# Altium PCB Ctrl-FOC-Lite.PcbDoc (continued)
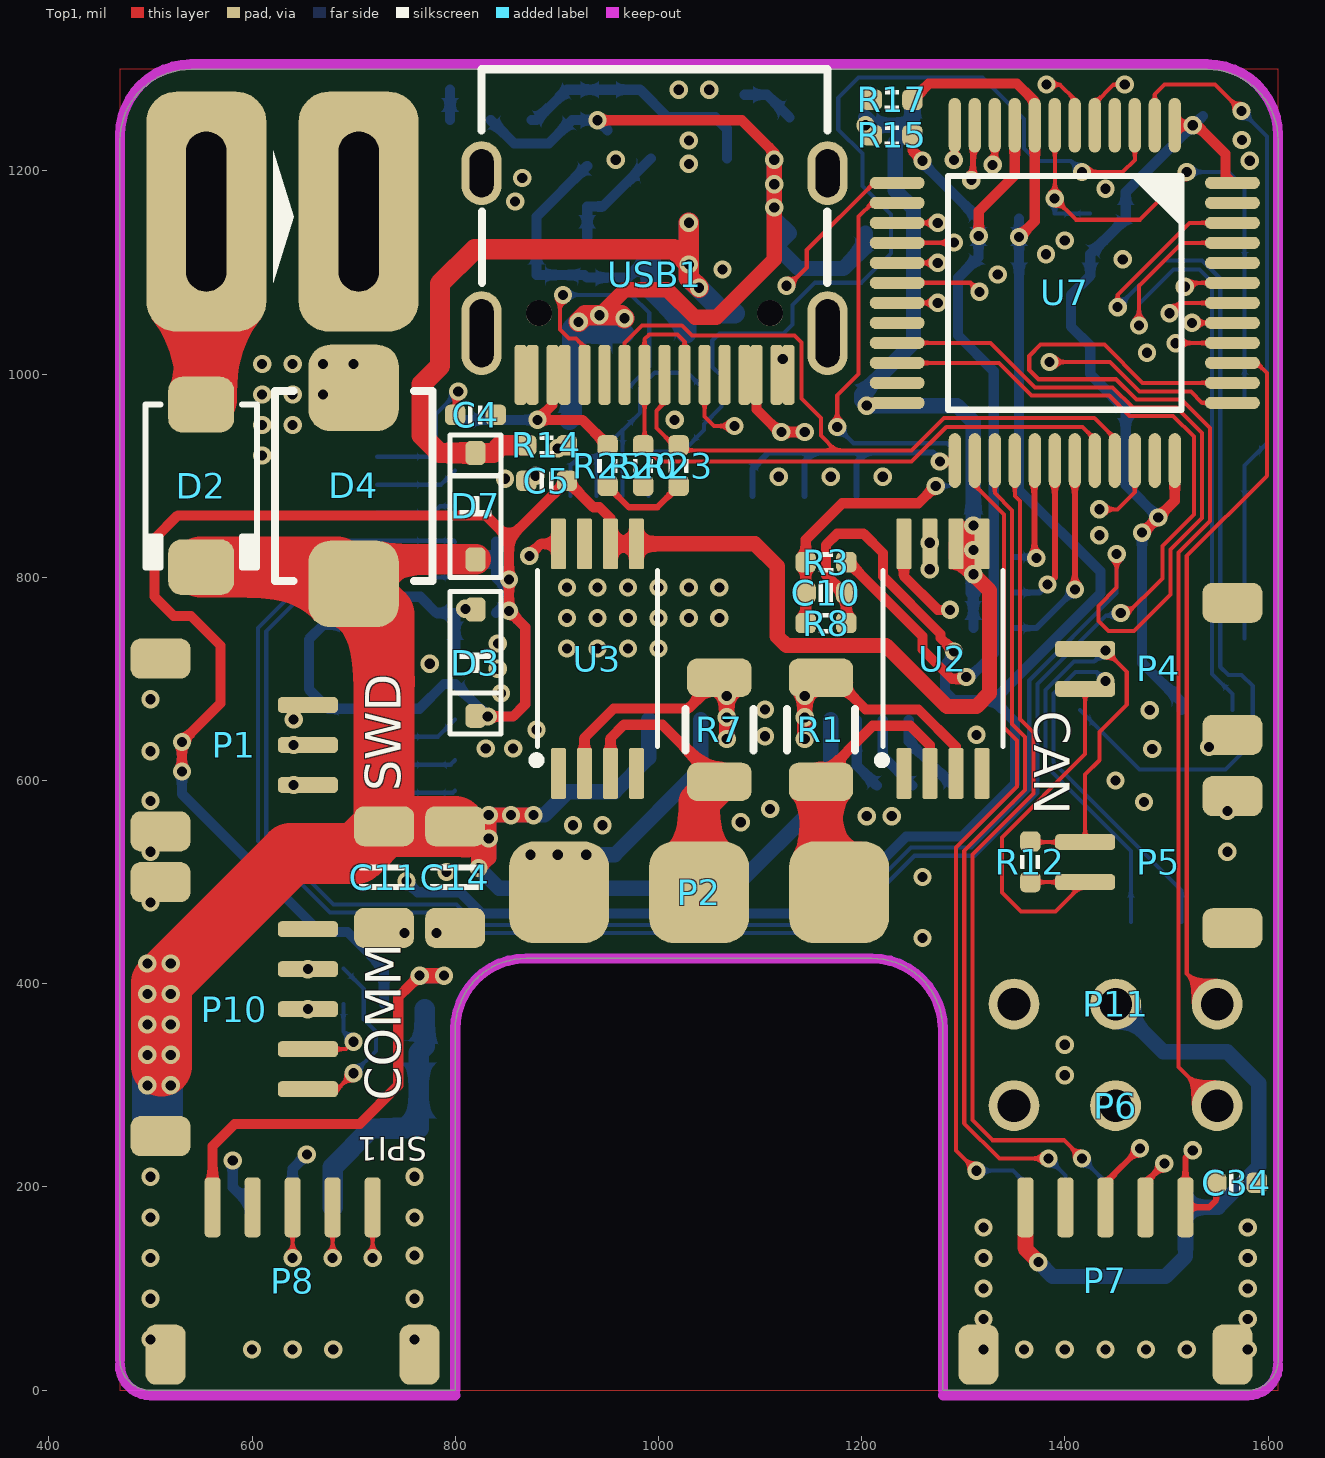
[diagram p0: Top1 view]
## Footprints (in the part's own frame and the unit in brackets; to place one, negate y for a bottom-side part, rotate by r counter-clockwise, add the part's x,y. Pads: shape width x height; smd on the part's side, far side on the other; paste and mask are expansions set on the pad)
1206-CAP [mm]
  rrect50% 1x1.5 smd: 1(-1.27,0) 2(1.27,0)
  silkscreen extent -0.3,-0.61 0.3,0.61, body extent -1.5,-0.75 1.5,0.75, height 1.5
1206-RES [mil]
  rrect50% 37.64x63.38 smd paste+0 mask+0: 1(-51.22,0) 2(51.22,0)
  silkscreen extent -21,-33 21,33, body extent -61,-31 61,31, height 26
AMASS-MR30-M [mm]
  rrect50% 2.5x2.54 smd: 1(-3.5,0) 2(0,0) 3(3.5,0)
  body extent -6.1,-11.84 6.1,0.66, height 2.6
ButtonTACT_3.5*3.55_90 [mil]
  rrect50% 50x30 smd: 1(-85,32) 2(-85,-32) 3(85,32) 4(85,-32)
  silkscreen extent -91,-59 91,59, body extent -90,-55 91,85, height 56
CAP_0402 [mil]
  rrect50% 20x20 smd: 1(-20,0) 2(20,0)
  silkscreen extent -7,-9 7,9, body extent -20,-10 20,10, height 20
DO-214AC [mil] "SMA"
  rrect50% 55x65 smd: 1(-80,0) 2(80,0)
  silkscreen extent -80,-55 80,55, body extent -98,-53 98,53, height 85
HDR1X3_2.54_180 [mil]
  round 50 hole 32: 1(0,0) 2(0,-100) 3(0,-200)
  body extent -49,-250 49,50, height 323
HTSSOP-28 [mm]
  rrect50% 1.6x0.3 smd paste-2 mask+0: 1(-2.8,4.225) 2(-2.8,3.575) 3(-2.8,2.925) 4(-2.8,2.275) 5(-2.8,1.625) 6(-2.8,0.975) 7(-2.8,0.325) 8(-2.8,-0.325) 9(-2.8,-0.975) 10(-2.8,-1.625) 11(-2.8,-2.275) 12(-2.8,-2.925) 13(-2.8,-3.575) 14(-2.8,-4.225) 15(2.8,-4.225) 16(2.8,-3.575) 17(2.8,-2.925) 18(2.8,-2.275) 19(2.8,-1.625) 20(2.8,-0.975) 21(2.8,-0.325) 22(2.8,0.325) 23(2.8,0.975) 24(2.8,1.625) 25(2.8,2.275) 26(2.8,2.925) 27(2.8,3.575) 28(2.8,4.225)
  rrect25% 3.4x9.7 smd paste-6 mask+0: 29(0,0)
  silkscreen extent -3.58,-5.17 2.2,5.27, body extent -3.2,-4.85 3.2,4.85, height 1.2
IND-201612 [mil]
  rrect50% 25x50 smd paste+0 mask+0: 1(-30.46,0) 2(30.46,0)
  silkscreen extent -43,-35 43,35, body extent -39,-31 39,31, height 37
LED_0402_RED [mil]
  rrect50% 20x20 smd: 1(-20,0) 2(20,0)
  silkscreen extent -6,-10 6,10, body extent -20,-10 20,10, height 18
LQFP-48 [mil]
  oval 54x12 smd: 1(-165,108.27) 2(-165,88.58) 3(-165,68.9) 4(-165,49.21) 5(-165,29.53) 6(-165,9.84) 7(-165,-9.84) 8(-165,-29.53) 9(-165,-49.21) 10(-165,-68.9) 11(-165,-88.58) 12(-165,-108.27) 25(165,-108.27) 26(165,-88.58) 27(165,-68.9) 28(165,-49.21) 29(165,-29.53) 30(165,-9.84) 31(165,9.84) 32(165,29.53) 33(165,49.21) 34(165,68.9) 35(165,88.58) 36(165,108.27)
  oval 12x54 smd: 13(-108.27,-165) 14(-88.58,-165) 15(-68.9,-165) 16(-49.21,-165) 17(-29.53,-165) 18(-9.84,-165) 19(9.84,-165) 20(29.53,-165) 21(49.21,-165) 22(68.9,-165) 23(88.58,-165) 24(108.27,-165) 37(108.27,165) 38(88.58,165) 39(68.9,165) 40(49.21,165) 41(29.53,165) 42(9.84,165) 43(-9.84,165) 44(-29.53,165) 45(-49.21,165) 46(-68.9,165) 47(-88.58,165) 48(-108.27,165)
  silkscreen extent -115,-115 115,115, body extent -177,-177 177,177, height 61
OLED-6432-TOP [mm]
  rrect50% 0.4x2 smd: 1(-4.56,7.195) 2(-3.86,7.195) 3(-3.16,7.195) 4(-2.46,7.195) 5(-1.76,7.195) 6(-1.06,7.195) 7(-0.36,7.195) 8(0.34,7.195) 9(1.04,7.195) 10(1.74,7.195) 11(2.44,7.195) 12(3.14,7.195) 13(3.84,7.195) 14(4.54,7.195)
  body extent -7.44,-0.28 7.44,12.1, height 3.43
RES_0402 [mil]
  rrect50% 20x20 smd: 1(-20,0) 2(20,0)
  silkscreen extent -7,-10 7,10, body extent -20,-10 20,10, height 14
SH1.0-2P [mm]
  rrect50% 0.4x1.5 smd: 1(-0.5,0) 2(0.5,0)
  rrect50% 1x1.5 smd: SH1(-1.651,-3.683) SH2(1.651,-3.683)
  body extent -2,-4.42 2,0.54, height 3.06
SH1.0-3P [mm]
  rrect50% 0.4x1.5 smd: 1(-1,0) 2(0,0) 3(1,0)
  rrect50% 1x1.5 smd: SH1(-2.159,-3.683) SH2(2.159,-3.683)
  body extent -2.5,-4.42 2.5,0.54, height 3.06
SH1.0-5P [mm]
  rrect50% 0.4x1.5 smd: 1(-2,0) 2(-1,0) 3(0,0) 4(1,0) 5(2,0)
  rrect50% 1x1.5 smd: SH1(-3.175,-3.683) SH2(3.175,-3.683)
  body extent -3.5,-4.42 3.5,0.54, height 3.06
SMBJ-CA_MFG [mm]
  rrect50% 2.16x2.26 smd paste+0 mask+0: 1(-2.45,0) 2(2.45,0)
  silkscreen extent -2.37,-1.97 2.37,1.97, body extent -2.7,-1.81 2.7,1.81, height 2.62
SO-8 [mm]
  oval 1.3x0.5 smd: 1(-2.65,1.905) 2(-2.65,0.635) 3(-2.65,-0.635) 4(-2.65,-1.905) 5(2.65,-1.905) 6(2.65,-0.635) 7(2.65,0.635) 8(2.65,1.905)
  silkscreen extent -2.77,-2.5 1.2,2.93, body extent -2.89,-2.44 2.89,2.46, height 1.45
SOD-323 [mm]
  rrect50% 0.6x0.5 smd: 1(-1.329,0) 2(1.329,0)
  silkscreen extent -1.78,-0.64 1.78,0.64, body extent -1.3,-0.68 1.3,0.67, height 1.15
"SOP65 P640X120-8N" [mm]
  rrect25% 1.27x0.381 smd: 1(-2.87,0.975) 2(-2.87,0.325) 3(-2.87,-0.325) 4(-2.87,-0.975) 5(2.87,-0.975) 6(2.87,-0.325) 7(2.87,0.325) 8(2.87,0.975)
  silkscreen extent -2.64,-1.5 2.2,1.62, body extent -3.2,-1.5 3.2,1.5, height 1.2
SOT23-3 [mm] "SOT23, 3-Leads, Body 3.1x3.0mm (max), Pitch 0.95mm, IPC Medium Density"
  rrect50% 1x0.6 smd: 1(-1.246,0.95) 2(-1.246,-0.95) 3(1.246,0)
  silkscreen extent -0.2,-1.55 0.9,1.55, body extent -1.3,-1.45 1.5,1.45, height 1.2
SOT23-5 [mm] "SOT23, 3-Leads, Body 3.1x3.0mm (max), Pitch 0.95mm, IPC Medium Density"
  rrect50% 0.889x0.6 smd: 1(-1.5,0.95) 2(-1.5,0) 3(-1.5,-0.95) 4(1.396,-0.95) 5(1.396,0.95)
  silkscreen extent -0.2,-1.55 0.9,1.55, body extent -1.48,-1.45 1.32,1.45, height 1.2
SOT23-6 [mm]
  rrect50% 1.3x0.7 smd: 1(-1.2,0.95) 2(-1.2,0) 3(-1.2,-0.95) 4(1.2,-0.95) 5(1.2,0) 6(1.2,0.95)
  silkscreen extent -1.32,1.73 -1.08,1.97, body extent -1.4,-1.45 1.4,1.45, height 1.45
Type-C-TOP [mm]
  round 0.65 hole 0.65: 0(-0.98,2.89) 0(-0.98,-2.89)
  oval 1.6x1 hole 0.6 slot 1.2 at 0 deg: 1(2.52,4.325) 2(2.52,-4.325)
  oval 2.1x1 hole 0.6 slot 1.7 at 0 deg: 3(-1.48,-4.325) 4(-1.48,4.325)
  rrect50% 1.5x0.3 smd: A1(-2.52,-3.35) A4(-2.52,-2.55) A5(-2.52,-1.25) A6(-2.52,-0.25) A7(-2.52,0.25) A8(-2.52,1.25) A9(-2.52,2.55) A12(-2.52,3.35) B1(-2.52,3.05) B4(-2.52,2.25) B5(-2.52,1.75) B6(-2.52,0.75) B7(-2.52,-0.75) B8(-2.52,-1.75) B9(-2.52,-2.25) B12(-2.52,-3.05)
  silkscreen extent -0.22,-4.33 5.12,4.33, body extent -2.57,-4.48 5.18,4.48, height 3.26
晶振-3P [mm] "贴片晶振"
  rrect50% 0.55x1.45 smd: 1(-0.95,0) 2(0,0) 3(0.95,0)
  silkscreen extent -1.65,-0.89 1.65,0.91, body extent -1.6,-0.89 1.65,0.89, height 0.7

## Part data
1: "显示屏"
C1 C2 C3 C4 C5 C6 C7 C8 C9 C10 C16 C17 C18 C19 C20 C21 C22 C23 C24 C25 C26 C27 C28 C29 C30 C31 C32 C33 C34: library part 电容-0402, "Capacitor"
C11 C12 C13 C14 C15: library part 电容-1206, "Capacitor"
D1: library part LED_0402, "LED", Type=0402
D2: library part Diode_SMA, "Diode", Type=SMA
D3: "40V"
D5 D6 D7: library part 二极管-5B5817WS, "40V"
K1 K2: library part ButtonTACT, "Button", Type="TACT 4P"
L1: library part 电感-201612
P1 P3 P6 P11: "Header"
P2: "AMASS MR30"
R1 R7: library part 电阻-1206, "Resistor"
R2 R4 R5 R6 R8 R9 R10 R11 R12 R13 R14 R15 R16 R17 R18 R19 R20 R21 R22 R23 R24 R25 R26 R27 R28: library part 电阻-0402, "Resistor"
R3: "THERMISTOR 10K OHM NTC 0402 SMD"
U1: library part LP2992, "LDO"
U2 U3: "-4 to 80V, bidirectional, ultra-precise current sense amplifier with enhanced PWM rejection 8-TSSOP -40 to 125", Package="TSSOP-8 Texas Instruments", Availability=Good, MF="Texas Instruments", MP=INA240A2PWR, Price=None, Purchase-URL=https://pricing.snapeda.com/search/part/INA240A2PWR/?ref=eda, SnapEDA_Link=https://www.snapeda.com/parts/INA240A2PWR/Texas%20Instruments/view-part/588604/?ref=snap
U4: Manufacturer="Texas Instruments", Manufacturer Part Number=SN65HVD232DR, Operating Temperature="-40°C ~ 85°C", Package / Case="8-SOIC (0.154\", 3.90mm Width)", Supplier Device Package=8-SOIC, Supplier Part Number 1=296-26344-2-ND, Voltage - Supply="3 V ~ 3.6 V", Category="Integrated Circuits (ICs)", ComponentLink1Description=http://www.ti.com/lit/ds/symlink/sn65hvd230.pdf, ComponentLink1URL=http://www.ti.com/lit/ds/symlink/sn65hvd230.pdf, Data Rate=1Mbps, Duplex=Half, Mounting Type="Surface Mount", Number of Drivers/Receivers=1/1, Packaging="Tape & Reel (TR)", Part Status=Active, Pricing 1="2500=0.84375 (USD)", Pricing 2="1=2.05, 10=1.842, 100=1.4809, 500=1.21668, 1000=1.00811 (USD)", Protocol=CAN, RoHS="RoHS Compliant", Stock=5000, Supplier 1=Digi-Key, Supplier 2=Digi-Key, Supplier Part Number 2=296-26344-1-ND, Type=Transceiver
U5: "DC-DC"
U6: "Adjustable precision shunt regulator 3-SOT-23 -40 to 85", Package="SOT-23-3 Texas Instruments", Availability=Warning, Check_prices=https://www.snapeda.com/parts/TL431IDBZT/Texas%20Instruments/view-part/1206577/?ref=eda, MF="Texas Instruments", MP=TL431IDBZT, Price=None, Purchase-URL=https://pricing.snapeda.com/search/part/TL431IDBZT/?ref=eda, SnapEDA_Link=https://www.snapeda.com/parts/TL431IDBZT/Texas%20Instruments/view-part/1206577/?ref=snap
U7: "ARM Cortex-M3 32-bit MCU, 128 KB Flash, 20 KB Internal RAM, 37 I/Os, 48-pin LQFP, -40 to 85 degC, Tray", I/Os (High Current)=37, Operating Frequency(F) (Processor speed) (MHz)=72, Supplier Part Number 1=497-6288-ND, Supply Voltage(Vcc) min (V)=2, A/D Converter="2x12-bit (10 Channel)", ComponentLink1Description="Manufacturer URL", ComponentLink1URL=http://www.st.com/web/en/home.html, ComponentLink2Description=Datasheet, ComponentLink2URL=http://www.st.com/st-web-ui/static/active/en/resource/technical/document/datasheet/CD00161566.pdf, ComponentLink3Description="Package Specification", ComponentLink3URL=http://www.st.com/st-web-ui/static/active/en/resource/technical/document/datasheet/DM00058181.pdf, Core="ARM Cortex-M3", DatasheetVersion="Rev. 16", FLASH Size (Prog) (kB)=128, Internal RAM Size (kB)=20, Mounting Technology="Surface Mount", PackageDescription="48-Pin Low Profile Quad Flat Package, 7 x 7 mm Body, 0.5 mm Pitch", PackageReference=LQFP48, PackageVersion="Rev. 6, 06/2013", Packing=Tray, PartNumber=STM32F103CBT6, Supplier 1=Digi-Key, Supplier 2=Farnell, Supplier 3=Newark, Supplier 4=Newark, Supplier 5=Mouser, Supplier Part Number 2=1606327, Supplier Part Number 3=11N8296, Supplier Part Number 4=57P1214, Supplier Part Number 5=511-STM32F103CBT6
U8: "65-V max, 3-A peak 3-phase motor driver 28-HTSSOP -40 to 125", Package="HTSSOP-28 Texas Instruments", Availability=Good, MF="Texas Instruments", MP=DRV8313PWP, Price=None, Purchase-URL=https://pricing.snapeda.com/search/part/DRV8313PWP/?ref=eda, SnapEDA_Link=https://www.snapeda.com/parts/DRV8313PWP/Texas%20Instruments/view-part/287728/?ref=snap
USB1: library part USB-Type-C-TOP
Y1: library part 晶振-3Pin, "村田贴片"

## Free pads (board coordinates)
  rrect50% 118.11x236.22 hole 157.48 slot 39.37 at 0 deg: ""(555,1160) ""(705,1160)

## Via types
v1: diameter 18, hole 10, Top1 to Bottom4, tented both sides, 232 vias

## Nets (pads, with @x,y where several pads share a name; then routed paths per layer and width w, separated by ;. In a path a pad name is that pad's centre, name@x,y a point inside that pad or via, vN(x,y) a via of type N, cw(c..) or ccw(c..) an arc to the next point about the centre after c; other vN are vias at no path point)
3V3: 1.5 1.8 C1.2 C2.2 C5.1 C9.2 C17.1 C25.2 C26.2 C27.2 C28.2 D3.2 R9.1 R15.2 R16.2 R19.2 R21.1 R22.2 R24.1 R26.2 R27.1 R28.2 U1.5 U2.5 U2.6 U3.5 U3.6 U4.3 U7.1 U7.24 U7.36 U7.48 | length 4870.8
  Top1 w10: v1(531,609) v1(531,638) 569,676 569,733 540,762 523,762 504,781 504,838 527,861 830,861 853,838 ; D3.2 820.66,663 v1(832,663) 857,663 869,675 869,751 v1(853,767) v1(853,798) 853,838 ; U3.6 952.8,858.2 942,869 936,869 C5.1 853,838 ; v1(1205,969) 1207.73,971.73 U7.24 ; v1(1476,844) 1477,844 v1(1492,859) 1508.27,875.27 U7.36 ; U7.1 v1(1526,1245) 1530,1245 1558,1217 1558,1195.27 U7.48
  Top1 w15: U3.6 U3.5 1095.01,832.99 1117,811 1117,742 1126,733 1224,733 1284,673 1313,673 1326,686 1326,787 v1(1310,803) ; v1(1310,851) 1310,850.2 U2.6@1296.8,837 ; U2.6@1296.8,837 1310,837 v1(1310,827) v1(1310,803) ; U2.6@1296.8,837 U2.6 1292.8,820.2 v1(1310,803)
  Signal3 w10: v1(1310,803) v1(1310,827) v1(1310,851) 1310,853.16 1323,866.16 1323,981 1375,1033 1411.89,1033 1476,968.89 1476,875 v1(1492,859) 1491,859 v1(1476,844)
  Gnd2 w20: v1(1310,803) v1(1310,827) v1(1310,851)
  Bottom4 w10: v1(531,638) v1(531,609) 531,587 667,451 694,451 R19.2 R22.2 ; 1.8 670.39,753.39 656,739 656,690 675.29,670.71 1.5 764.71,670.71 789,695 C9.2 v1(832,663) 857,663 869,675 869,751 v1(853,767) 853,778 ; R9.1 853,778 ; R28.2 R26.2 853,787 ; v1(853,798) 853,787 ; R27.1 R24.1 ; U4.3 1515,677 1476,716 v1(1476,844) 1477,844 v1(1492,859) 1460,891 C26.2 1425,1000 1425,1028 1406,1047 1406,1078 1425,1097 R16.2 1460,1153 C28.2 1460,1179 v1(1526,1245) 1526.72,1245 C27.2 ; 853,778 853,787
  Bottom4 w15: U1.5 1211.64,1245 C1.2 ; C2.2 C1.2 ; R24.1 v1(1310,803) R21.1 v1(1310,827) v1(1310,851) C17.1 1310,953 1294,969 v1(1205,969) 1200,974 C25.2 1251,1031 1251,1163 1233,1181 1233,1228 C1.2
  other v1: 1203.9,1245
5V: C19.1 C21.2 C22.2 D1.1 D5.2 L1.2 P6.2 P7.1 P8.1 P9.1 P11.2 R10.2 R11.1 U1.1 U1.3 | length 4998.3
  Top1 w10: P8.1 561.26,240.26 583,262 706,262 744,300 744,387 v1(765,408) ; v1(940.16,1249.84) 1082.16,1249.84 1114,1218 v1(1114,1211)
  Top1 w15: v1(765,408) v1(789,408) ; v1(941.88,1058) 966.88,1083 1009,1083 1036,1056 1057,1056 1114,1113 v1(1114,1164) v1(1114,1187) v1@1114,1205 ; P7.1 1361.26,138.74 v1(1374,126)
  Top1 w20: v1(921.5,1051.5) 928,1058 v1(941.88,1058) 963.54,1058 v1(966.54,1055)
  Signal3 w15: v1(765,408) v1(789,408) 857,476 1354,476 P11.2 P6.2 1447,277 1447,205 1475,177 1552,177 1593.5,218.5 1593.5,1155.5 1550,1199 1550,1256 1537,1269 1505,1269 1490,1254 1332,1254 1308,1278 1164,1278 1114,1228 v1(1114,1211) v1(1114,1187) v1(1114,1164)
  Signal3 w20: v1(921.5,1051.5) 928,1058 v1(941.88,1058) 963.54,1058 v1(966.54,1055)
  Gnd2 w20: v1(921.5,1051.5) 928,1058 v1(941.88,1058) 963.54,1058 v1(966.54,1055) ; v1(1114,1164) v1(1114,1187) v1(1114,1211)
  Bottom4 w10: D1.1 858,1227 892,1227 R10.2 940,1250 v1(940.16,1249.84) C19.1
  Bottom4 w15: v1(765,408) v1(789,408) ; v1(1114,1211) v1(1114,1187) v1(1114,1164) 1114,1153.83 U1.3 1119.29,1128.93 1119.29,1122.71 1138,1104 1182,1104 1203.9,1125.9 U1.1 ; v1(1374,126) 1388,112 1499,112 1518.74,131.74 P9.1 1551,180 1591,220 1591,302 1560,333 1497,333 P11.2
  Bottom4 w20: D5.2 915,957.66 C21.2 C22.2 ; L1.2 925,1040 C22.2 ; v1(966.54,1055) 963.54,1058 v1(941.88,1058) 928,1058 v1(921.5,1051.5) 915,1045 C22.2
ADC1_1: C10.2 R3.1 R8.2 U7.14 | length 669.2
  Top1 w4: v1(1176,948) 1176,979 1197,1000 1197,1155 1210.58,1168.58 U7.14
  Top1 w10: R8.2 C10.2 R3.1 1145,837 1181,873 1256,873 v1(1273,890)
  Bottom4 w4: v1(1176,948) 1192,932 1284,932 1295,921 1295,899 1286,890 v1(1273,890)
ADC2_1: P3.3 U7.19 | length 1432
  Top1 w4: U7.19@1234.9,1070.26 U7.19 v1(1274.9,1070.16)
  Signal3 w10: v1(581,226) 581,701.44 877.56,998 1097.11,998 1116.11,979 1174.44,979 1219.26,1023.81 1228.55,1023.81 v1(1274.9,1070.16)
  Bottom4 w10: v1(581,226) 581,199.63 P3.3
AGND: C10.1 C31.1 C32.1 P3.2 R8.1 R17.1 U7.8 | length 2349.1
  Top1 w10: R8.1 C10.1 1182,785 1165,802 1165,832 1176,843 1202,843 1221,824 1221,801 1277.67,744.33 1277.67,740.33 v1(1291,727) ; R17.1 1266,1286 1353,1286 1370.47,1268.53 U7.8 1370.47,1150.47 v1(1355,1135)
  Signal3 w10: v1(654,232) 671,232 736,297 736,400 718,418 718,467 v1(752,501)
  Bottom4 w10: P3.2 640,218 v1(654,232) ; v1(752,501) 763,490 805,490 826,469 1168,469 1244,545 1299,545 1351,597 1351,658 1330,679 ; v1(1291,727) 1291,723 1282,714 1282,688 1291,679 1330,679 ; C31.1 C32.1 1355,886 1435,806 1435,784 1330,679
AVCC: C31.2 C32.2 R3.2 R15.1 U7.9 | length 895.7
  Top1 w10: R3.2 1187,815 1260,742 1260,729 1289,700 1301,700 v1(1303,702) ; R15.1 1250,1220 v1(1260,1210) ; v1(1315.31,1136) 1315.31,1160.31 1350.79,1195.79 U7.9
  Bottom4 w10: v1(1260,1210) 1260,1208 C31.2 C32.2 1315,1115 1295,1095 1295,1038 1330,1003 1330,725 1305,700 v1(1303,702)
CAN_D_1: U4.1 U7.46 | length 964.1
  Top1 w4: v1(1452,1066) 1452,1078 1522.9,1148.9 U7.46
  Bottom4 w4: U4.1 1473.33,611 1558,611 1585,638 1585,693 1574,704 1561,704 1553,712 1553,1034 1553,1094 1535,1112 1498,1112 v1(1452,1066)
CAN_H_1: P4.2 P5.2 R12.1 U4.7 | length 628.3
  Top1 w4: R12.1@1365,539.37 P5.2 1420,606 1434,620 1434,648 1461,675 1461,707 v1(1440,728) 1438.31,729.69 P4.2
  Bottom4 w4: v1(1440,728) 1429,717 1409,717 1381,689 1381,614.69 1465,530.69 U4.7
CAN_L_1: P4.1 P5.1 R12.2 U4.6 | length 731.9
  Top1 w4: R12.2@1365,500 R12.2 P5.1 1391,471 1357,471 1338,490 1338,544 1420,626 P4.1
  Bottom4 w4: v1(1440,698) 1431,707 1410.31,707 1389,685.69 1389,618 1515,492 U4.6
CAN_R_1: U4.4 U7.45 | length 690.3
  Top1 w4: v1(1473,1048) 1473,1087 1515.21,1129.21 U7.45
  Bottom4 w4: v1(1473,1048) 1473,1069 1507,1103 1532.69,1103 1545,1090.69 1545,705.08 1565,685.08 U4.4
DRV_EN_1: U7.25 U8.22 U8.24 U8.26 | length 331.1
  Top1 w6: v1(1277,914) 1281.38,914 1290.73,914 U7.25
  Bottom4 w6: U8.22 1092.8,907.12 1108.67,923 1153,923 ; U8.24 1143.98,913.98 1153,923 ; U8.26 1195.16,913.16 1205,923 ; v1(1277,914) 1277,916 1270,923 1205,923 ; 1153,923 1205,923
DRV_FAULT_1: R18.2 U7.3 U8.18 | length 993.8
  Top1 w4: v1(1417,1199) 1457,1199 1468.9,1210.9 U7.3
  Bottom4 w4: U8.18 990.43,917.16 997.27,924 1024,924 R18.2 1045,951 1062,968 1062,998 1053,1007 1053,1033 1060,1040 1123,1040 1132,1049 1132,1068 1154,1090 1200,1090 1229,1119 1229,1157 1201,1185 1201,1217 1177,1241 1177,1272 1197,1292 1319,1292 1360,1251 1360,1222 1372,1210 1406,1210 v1(1417,1199)
Encoder_A_1: P7.3 R21.2 U7.29 | length 832.2
  Top1 w6: U7.29 1370,914.53 1370,821 v1(1372,819) ; P7.3 1440,204 v1(1474,238)
  Signal3 w6: v1(1372,819) 1365,812 1365,527.72 1488,404.72 1488,252 v1(1474,238)
  Bottom4 w6: R21.2 1371,820 v1(1372,819)
Encoder_B_1: P7.4 R24.2 U7.30 | length 835.4
  Top1 w6: v1(1383,793) 1390.16,800.16 U7.30 ; P7.4 1479.37,204.37 v1(1498,223)
  Signal3 w6: v1(1383,793) 1376,786 1376,530.86 1498,408.86 v1(1498,223)
  Bottom4 w6: R24.2 1375,785 v1(1383,793)
Encoder_Z_1: C34.1 P7.5 R27.2 U7.31 | length 931.9
  Top1 w6: U7.31 1409.84,788.16 v1(1410,788) ; v1(1526,236) 1518.74,228.74 P7.5 1542,180 1549,187 C34.1
  Signal3 w6: v1(1410,788) 1386,764 1386,535 1511,410 1511,251 v1(1526,236)
  Bottom4 w6: R27.2 1372,750 v1(1410,788)
GND: 1.7 C1.1 C2.1 C3.1 C4.1 C5.2 C8.1 C9.1 C11.1 C12.1 C13.1 C14.1 C15.1 C16.1 C17.2 C21.1 C22.1 C23.1 C25.1 C26.1 C27.1 C28.1 C30.1 C33.1 C34.2 D4.1 D6.1 K1.2 K1.4 K2.2 K2.4 P1.1 P1.SH1 P1.SH2 P3.SH1 P3.SH2 P4.SH1 P4.SH2 P5.SH1 P5.SH2 P6.1 P7.2 P7.SH1 P7.SH2 P8.2 P8.SH1 P8.SH2 P9.2 P9.SH1 P9.SH2 P10.1 P10.SH1 P10.SH2 P11.1 pad.@705,1160 R2.1 R4.1 R5.2 R6.2 R13.1 R17.2 U1.2 U2.4 U2.7 U3.4 U3.7 U4.2 U5.2 U6.3 U7.20 U7.23 U7.35 U7.44 U7.47 U8.6 U8.7 U8.10 U8.12 U8.13 U8.14 U8.20 U8.28 U8.29 USB1.1 USB1.2 USB1.3 USB1.4 USB1.A1 USB1.A12 USB1.B1 USB1.B12 Y1.2
  other v1: 600,40 640,40 680,40 1320,40 1360,40 1400,40 1440,40 1480,40 1520,40 1580,40 500,50 760,50 1320,70 1580,70 500,90 760,90 1320,100 1580,100 500,130 1320,130 1580,130 760,132.59 1320,160 1580,160 500,170 760,170 500,210 760,210 1400,310 1400,340 1260,445 750,450 781.49,450 500,480 1260,505 791.49,510 500,530 1560,530 915.86,556 945,556 1081,559 1205,565 1229.63,565 1560,570 1110,572 1478,579 500,580 1450,600 500,628.79 830,631.49 857,631.49 1486,631 1542,633 1105,643.59 1313,645 880,650 641,660 1483.64,669.33 1105,670.02 500,680 845,685.98 841.98,710 775,715 910,730 940,730 970,730 1000,730 841.98,735 910,760 940,760 970,760 1000,760 1030,760 1060,760 910,790 940,790 970,790 1000,790 1030,790 1060,790 1267,808 1267,834 1434,841.41 849,897 879,900 610,920 610,950 640,950 1016,955 610,980 640,980 670,980 610,1010 640,1010 670,1010 700,1010 1122.36,1015 1481,1021 1334,1098 1457,1113 1381.49,1118 1400,1131.48 859,1170 1440,1182.51 866,1193 1030,1207 1582,1210 958,1211 1030,1230 1574.26,1230.44 1020,1280 1050,1280
I2C_SCL_1: P10.5 R19.1 U7.42 | length 1792.7
  Top1 w4: P10.5 684.26,296.26 v1(700,312) ; v1(1503,1060) 1513.06,1070.06 U7.42@1565.1,1070.06
  Signal3 w4: v1(700,312) 720,332 720,391 608,503 608,690 781,863 1240,863 1256,879 1256,925 1292,961 1292,993.84 1362.16,1064 1402,1064 1423,1085 1471.69,1085 1478.69,1078 1488,1078 1503,1063 v1(1503,1060)
  Bottom4 w4: R19.1 710,395 710,365 722,353 722,334 v1(700,312)
I2C_SDA_1: P10.4 R22.1 U7.43 | length 1660.2
  Top1 w4: P10.4 692.63,335.63 v1(700,343) ; v1(1518,1086) 1521.84,1089.84 U7.43
  Signal3 w4: v1(700,343) 700,399.69 600,499.69 600,667 600,693.31 777.69,871 1233.31,871 1248,885.69 1248,928.31 1284,964.31 1284,997.15 1358.85,1072 1398.31,1072 1419.31,1093 1475,1093 1482,1086 v1(1518,1086)
  Bottom4 w4: R22.1 690,353 v1(700,343)
KEY_1: K2.1 K2.3 U7.2 | length 669.1
  Top1 w4: U7.2 1488.58,1275.58 1498,1285 1548,1285 v1(1574,1259)
  Bottom4 w4: v1(1574,1259) 1599,1234 1599,932 K2.3 K2.1
MOTOR_A_1: P2.3 R1.1 U2.2 | length 284.4
  Top1 w10: R1.1 1160,603 1211,654 1248,654 1267.2,634.8 U2.2
  Top1 w40: R1.1 1160,507.8 P2.3
MOTOR_A_CS_1: R1.2 U2.3 U8.5 | length 338.8
  Top1 w10: R1.2 1172.78,701.22 1204,670 1256,670 1292.8,633.2 U2.3
  Top1 w15: v1(1143.98,641) v1(1143.98,662.19) v1(1143.98,683.39) 1143.98,685.2 R1.2
  Signal3 w20: v1(1143.98,641) v1(1143.98,662.19) v1(1143.98,683.39)
  Gnd2 w20: v1(1143.98,641) v1(1143.98,662.19) v1(1143.98,683.39)
MOTOR_B_1: P2.2 R7.2 U3.3 | length 287.8
  Top1 w10: U3.3 952.8,641.8 966,655 1003.78,655 R7.2
  Top1 w40: P2.2 1040,578.78 R7.2
MOTOR_B_CS_1: R7.1 U3.2 U8.8 | length 340.4
  Top1 w10: U3.2 927.2,642.2 956,671 1029.78,671 R7.1
  Top1 w15: R7.1 1060,690.59 v1(1067.2,683.39) v1(1067.2,662.19) v1(1067.2,641)
  Signal3 w20: v1(1067.2,641) v1(1067.2,662.19) v1(1067.2,683.39)
  Gnd2 w20: v1(1067.2,641) v1(1067.2,662.19) v1(1067.2,683.39)
MOTOR_C_1: P2.1 U8.9 | length 360.8
  Signal3 w20: v1(874,527) v1(901,527) v1(929,527)
  Gnd2 w20: v1(874,527) v1(901,527) v1(929,527)
  Bottom4 w15: v1(874,527) v1(901,527) v1(929,527) 957,527 1041.61,611.61 U8.9
Net1_1: 1.1 C6.2 | length 81.1
  Bottom4 w4: 1.1 789.53,560.47 C6.2
Net1_2: 1.2 C6.1 | length 77.5
  Bottom4 w4: 1.2 798.03,588.03 C6.1
Net1_3: 1.3 C7.1 | length 78.6
  Bottom4 w4: 1.3 795.59,615.59 C7.1
Net1_4: 1.4 C7.2 | length 83.7
  Bottom4 w4: 1.4 783.15,643.15 C7.2
Net1_12: 1.12 R2.2 | length 79.4
  Bottom4 w4: 1.12 778.62,863.62 785,870 R2.2
Net1_13: 1.13 C8.2 | length 82.5
  Bottom4 w4: 1.13 786.18,891.18 C8.2
Net1_14: 1.14 C4.2 | length 151.2
  Top1 w4: C4.2 800,980 v1(803,983)
  Bottom4 w4: 1.14 773.86,918.74 781,925.88 781,961 v1(803,983)
NetC3_2: C3.2 U1.4 | length 53.3
  Bottom4 w10: C3.2 1106.83,1275 U1.4
NetC18_1: C18.1 C20.1 D6.2 L1.1 U5.6 | length 343.4
  Bottom4 w10: C18.1 880,1155 D6.2 927.34,1097.66 C20.1 969.84,1095 U5.6
  Bottom4 w20: U5.6 992.6,1083.4 1027.46,1048.54 L1.1
NetC18_2: C18.2 C20.2 U5.1 | length 112.2
  Bottom4 w10: C20.2 C18.2 945.35,1165 U5.1
NetC19_2: C19.2 R10.1 R13.2 U5.3 | length 250.1
  Bottom4 w10: R10.1 880,1250 910,1280 R13.2 C19.2 982,1280 1009,1253 1056,1253 1067.4,1241.6 U5.3
NetC23_2: C23.2 D7.2 R14.1 U5.5 | length 854
  Top1 w20: R14.1 845,930 837.34,922.34 D7.2 784.66,922.34 767,940 767,990 785,1008 785,1089 819,1123 1015,1123 v1(1030,1108) ; v1(1030,1149) v1(1030,1108) ; v1(1040,1085) 1030,1095 v1(1030,1108)
  Signal3 w20: v1(1030,1149) v1(1030,1108) 1030,1095 v1(1040,1085)
  Gnd2 w20: v1(1030,1149) v1(1030,1108) 1030,1095 v1(1040,1085)
  Bottom4 w20: v1(1030,1149) U5.5 v1(1030,1108) 1030,1094.6 1039.6,1085 v1(1040,1085) 1040,1084.6 1057,1067.6 1057,1067 1064,1060 C23.2
NetC24_1: C24.1 U8.1 | length 82.8
  Bottom4 w10: U8.1 1246.34,638.66 C24.1
NetC24_2: C24.2 U8.2 | length 76.9
  Bottom4 w10: U8.2 1220.75,624.25 C24.2
NetC29_1: C29.1 U8.3 | length 73
  Bottom4 w10: U8.3 1195.16,614.84 C29.1
NetD1_2: D1.2 R4.2 | length 30
  Bottom4 w10: D1.2 R4.2
NetP3_1: P3.1 R11.2 U6.1 U6.2 | length 259.8
  Bottom4 w20: P3.1 679.37,219.37 717.6,257.6 U6.2 U6.1 770,338.35 R11.2
NetR5_1: R5.1 USB1.A5 | length 74.4
  Top1 w4: USB1.A5 1045.43,958.41 1054.84,949 v1(1075,949)
NetR6_1: R6.1 USB1.B5 | length 277.3
  Top1 w4: v1(906,1078) 903,1075 903,1044 912,1035 919,1035 927.32,1026.68 USB1.B5
  Bottom4 w4: v1(906,1078) 973,1078 991,1060 991,1007.31 965,981.31 R6.1
NetR14_2: R14.2 U5.4 | length 816.7
  Signal3 w4: v1(901,927) 876,927 859,944 859,963.89 882.11,987 1092.56,987 1111.56,968 1179,968 1199,988 1218.28,988 1292,1061.72 1292,1080 1282,1090 1200,1090 1185,1105 1065,1105 v1(1063,1103)
NetU7_5: U7.5 Y1.3 | length 58.7
  Top1 w4: U7.5 1429.53,1266.53 1448,1285 v1(1459,1285)
NetU7_6: U7.6 Y1.1 | length 59.1
  Top1 w4: v1(1382,1285) 1395,1285 1409.84,1270.16 U7.6
NRST_1: C33.2 K1.1 K1.3 R16.1 U7.7 | length 552.2
  Top1 w4: v1(1390,1173) 1411,1152 1474,1152 1520,1198 v1(1520,1198.98) ; v1@1390.16,1173.16 U7.7
  Bottom4 w4: v1(1390,1173) C33.2 R16.1 ; v1(1520,1198.98) 1561.02,1198.98 1577,1183 K1.3 K1.1
OLED_RES_1: 1.9 C16.2 D3.1 R9.2 | length 118.3
  Bottom4 w10: 1.9 765.55,780.94 781.5,765 R9.2 C16.2
  other v1: 810,769
OLED_SCL_1: 1.10 R26.1 U7.21 | length 2199.3
  Top1 w4: U7.21 1326.93,1030.79 1370.72,987 1447.06,987 1467.06,967 1510,967 1535,942 1535,858.63 1504,827.63 1504,783 1468,747 1443,747 1433,757 1433,772 1451,790 v1(1451,823)
  Bottom4 w4: R26.1 781.5,800 772.99,808.5 1.10 675.82,808.5 614,746.69 614,544 680,478 801.44,478 821.44,458 1172.56,458 1248.56,534 1308,534 1365,591 1365,698.44 1451,784.44 v1(1451,823)
OLED_SDA_1: 1.11 R28.1 U7.22 | length 2053
  Top1 w4: U7.22 1235.1,1011 1335.41,1011 1367.41,979 1443.75,979 1463.75,959 1506.69,959 1527,938.69 1527,861.94 1496,830.94 1496,799 1458,761 1455,764 v1(1455,765)
  Bottom4 w4: R28.1 798.94,836.06 691.77,836.06 606,750.29 606,588 606,580.13 606,540.69 676.69,470 716.13,470 798.13,470 818.13,450 1175.87,450 1251.87,526 1311.31,526 1373,587.69 1373,608.69 1373,694.96 1440.36,762.32 1452.32,762.32 v1(1455,765)
PWM_A_1: U7.40 U8.27 | length 630.7
  Top1 w4: v1(1509.1,1030.47) 1509.31,1030.69 U7.40@1565.1,1030.69
  Signal3 w4: v1(1220.75,899) 1220.75,923.69 1268,970.94 1268,1003.78 1352.22,1088 1391.69,1088 1443.69,1140 1508.13,1140 1546,1102.13 1546,1044.87 1531.6,1030.47 v1(1509.1,1030.47)
PWM_AUX1_1: P6.3 U7.38 | length 1131.3
  Top1 w4: P6.3 1512,318 1512,824.31 1543,855.31 1543,947 1515,975 1470.37,975 1450.37,995 1374.04,995 1365,1004.04 1365,1018 1376,1029 1439,1029 1476.58,991.42 U7.38
PWM_AUX2_1: P11.3 U7.39 | length 704.3
  Top1 w4: P11.3 1520,410 1520,821 1599,900 1599,1001 1588.9,1011.1 U7.39
PWM_B_1: U7.41 U8.25 | length 633.2
  Top1 w4: v1(1525.1,1050.47) U7.41 U7.41@1565.1,1050.37
  Signal3 w4: v1(1169.57,899) 1189.57,879 1230,879 1240,889 1240,931.63 1276,967.63 1276,1000.47 1355.53,1080 1395,1080 1447,1132 1504.82,1132 1538,1098.82 1538,1063.37 v1(1525.1,1050.47)
PWM_C_1: U7.18 U8.23 | length 387.5
  Top1 w4: U7.18@1234.9,1089.94 1307.06,1089.94 v1(1316,1081)
  Signal3 w4: v1(1118.39,899) 1134.39,915 1200.75,915 1260,974.25 1260,1007.1 1316,1063.1 v1(1316,1081)
SENSE_A_1: U2.8 U7.10 | length 1043
  Top1 w4: v1(1329,1206) v1@1331.1,1208.1
  Top1 w6: v1@1331.1,1208.1 U7.10
  Top1 w10: U2.8 1241.61,801.39 1275,768 v1(1287,768)
  Signal3 w6: v1(1287,768) 1287,861.86 1311,885.86 1311,985.97 1370.03,1045 1416.86,1045 1468.86,993 1521,993 1565,1037 1565,1110 1498,1177 1475,1177 1425,1227 1382,1227 1361,1206 v1(1329,1206)
SENSE_B_1: U3.8 U7.11 | length 1316.3
  Top1 w4: v1(1308,1191) v1@1311.42,1194.42
  Top1 w6: v1(1308,1191) 1309.71,1192.71 1309.71,1243.29 U7.11
  Top1 w10: v1(873,821) 873,822 883.99,832.99 U3.8
  Signal3 w6: v1(873,821) 906,854 1265,854 1301,890 1301,990.11 1365.89,1055 1421,1055 1473,1003 1516.86,1003 1555,1041.14 1555,1105.86 1509.86,1151 1378,1151 1348,1181 1318,1181 v1(1308,1191)
SPI1_MISO_1: P8.4 U7.16 | length 1836.8
  Top1 w4: v1(679.37,130) P8.4 ; U7.16@1234.9,1129.31 1290.69,1129.31 v1(1290.9,1129.53)
  Signal3 w4: v1(679.37,130) 658.37,109 630.31,109 545,194.31 545,247.63 554,256.63 554,788.31 788,1022.31 788,1084.69 835.31,1132 932.31,1132 977.31,1177 1052.69,1177 1100.69,1129 1290.37,1129 v1(1290.9,1129.53)
SPI1_MOSI_1: P8.3 U7.17 | length 1729.3
  Top1 w4: v1(640,130) P8.3 ; U7.17@1234.9,1109.63 U7.17 v1(1274.9,1109.53)
  Signal3 w4: v1(640,130) 620.63,130 553,197.63 553,244.31 562,253.31 562,785 796,1019 796,1081.37 838.63,1124 937,1124 982,1169 1049.37,1169 1100.51,1117.86 1262.77,1117.86 1271.11,1109.53 v1(1274.9,1109.53)
SPI1_SCK_1: P8.5 U7.15 | length 1877.8
  Top1 w4: v1(718.74,130) P8.5 ; U7.15@1234.9,1149 U7.15 v1(1274.9,1148.9)
  Signal3 w4: v1(718.74,130) 689.74,101 627,101 537,191 537,250.94 546,259.94 546,791.63 780,1025.63 780,1088 832,1140 929,1140 974,1185 1056,1185 1103,1138 1264,1138 v1(1274.9,1148.9)
SPI2_MISO_1: P9.4 U7.27 | length 841.8
  Top1 w4: U7.27 1331.1,882.9 1348,866 1348,655.69 1361,642.69 1361,590.69 1349,578.69 1301,530.69 1301,273 1301,262.69 1335.69,228 v1(1384,228)
  Bottom4 w4: v1(1384,228) 1400.63,211.37 P9.4
SPI2_MOSI_1: P9.3 U7.28 | length 863.8
  Top1 w4: U7.28 1350.79,880.21 1356,875 1356,660.37 1369,647.37 1369,587.37 1309,527.37 1309,266 1329,246 1399,246 v1(1417,228)
  Bottom4 w4: v1(1417,228) 1438,207 1440,207 P9.3
SPI2_SCK_1: P9.5 U7.26 | length 826.4
  Top1 w4: U7.26 1311.42,890.58 1340,862 1340,652.37 1353,639.37 1353,594 1293,534 1293,236 v1(1313,216)
  Bottom4 w4: v1(1313,216) 1349,216 1361.26,203.74 P9.5
SWCLK_1: P1.2 U7.37 | length 1271
  Top1 w4: v1(1385,1012) 1444.69,1012 1473.69,983 1524,983 1535.27,971.73 U7.37
  Signal3 w4: v1(641,635) 670,606 1235.27,606 1334,704.73 1334,961 v1(1385,1012)
SWDIO_1: P1.3 U7.34 | length 1062.5
  Top1 w4: v1(1434,867) 1452,867 1468.9,883.9 U7.34
  Signal3 w4: v1(641,595.63) 750.37,595.63 1236.22,595.63 1342,701.41 1342,845 1364,867 v1(1434,867)
UART_Rx_1: P10.3 U7.13 | length 1633.9
  Top1 w4: v1(1126,1087) 1128,1087 1146,1105 1146,1122 1212.27,1188.27 U7.13
  Signal3 w4: v1(655,375) 655,266 594,205 572,205 561,216 561,241 570,250 570,706 873,1009 1090,1009 1135,1054 1135,1079 1127,1087 v1(1126,1087)
UART_Tx_1: P10.2 U7.12 | length 1430.7
  Top1 w4: v1(1290.8,1210.8) 1291.73,1211.73 U7.12
  Signal3 w4: v1(655,414.37) 592,477.37 592,696.63 774.37,879 1070,879 1114,923 1197.43,923 1252,977.57 1252,1010.41 1300,1058.41 1300,1091 1336,1127 1336,1149 1322.16,1162.84 1298.16,1162.84 1278,1183 1278,1198 v1(1290.8,1210.8)
USB_DM_1: R20.1
USB_DM_IN_1: R20.2 U7.32 USB1.A7 USB1.B7 | length 673.1
  Top1 w4: USB1.B7 1025.75,1032.25 1019,1039 991,1039 986.38,1034.38 USB1.A7 986.38,931.38 R20.2 1001,914 1249.31,914 1283.31,948 1417.53,948 1429.53,936 U7.32
USB_DP_1: R23.1 R25.1 | length 87.4
  Top1 w6: R25.1 971,869 999,869 R23.1
USB_DP_IN_1: R23.2 U7.33 USB1.A6 USB1.B6 | length 899
  Top1 w4: USB1.B6 966.69,1030.69 984,1048 1023,1048 1033,1038 1133.78,1038 1140.81,1030.97 1140.81,976.19 1160,957 1160,939.5 1174.5,925 ; USB1.A6 1006.06,972.06 998,964 998,947 1015,930 R23.2 1025,925 1174.5,925 ; U7.33 1449.21,936.79 1429,957 1281,957 1249,925 1174.5,925
V3P3_1: C30.2 R18.1 U8.15 U8.16 U8.17 | length 324.2
  Bottom4 w4: U8.15 913.66,910.24 922.68,919.25 939.25,919.25 ; U8.16 939.25,919.25 ; U8.17 C30.2@964.84,944.84 ; R18.1 1028.59,1001.41 996.41,1001.41 982,987 982,962 C30.2 C30.2@964.84,944.84 ; 939.25,919.25 C30.2@964.84,944.84
VBUS: D5.1 R25.2 USB1.A4 USB1.A9 USB1.B4 USB1.B9 | length 579.2
  Top1 w10: USB1.A9 895.83,969.83 v1(881,955) 925,955 R25.2 ; USB1.A4 1096.61,965.39 1119,943 v1(1121,943) v1(1144,943)
  Signal3 w10: v1(881,955) 902,976 1088,976 v1(1121,943) v1(1144,943)
  Bottom4 w10: D5.1 v1(881,955)
VCC: C11.2 C12.2 C13.2 C14.2 C15.2 C29.2 D2.2 D4.2 D7.1 U8.4 U8.11 | length 2806.5
  Top1 w15: v1(877,566) v1(855,566) v1(833,566) ; v1(833,566) v1(833,543) 833,524 v1(823,514) 823,532.01 C14.2 822,555 v1(833,566)
  Top1 w30: D4.2 724.12,817.66 D7.1
  Top1 w60: 511,319 511,401 638,528 703,528 C11.2 ; D2.2 683.54,810 D4.2 730,763.54 C11.2 ; C14.2 C11.2
  Signal3 w20: v1(823,514) 833,524 v1(833,543) v1(833,566) v1(855,566) v1(877,566) ; v1(497,300) v1(497,330) v1(497,360) v1(497,390) v1(497,420) v1(520,420) v1(520,390) v1(520,360) v1(520,330) v1(520,300) v1(497,300)
  Gnd2 w20: v1(823,514) 833,524 v1(833,543) v1(833,566) v1(855,566) v1(877,566) ; v1(497,300) v1(520,300) v1(520,330) v1(520,360) v1(520,390) v1(520,420) v1(497,420) v1(497,390) v1(497,360) v1(497,330) v1(497,300)
  Bottom4 w15: U8.11 990.43,622.43 957,589 911,589 888,566 v1(877,566) v1(855,566) v1(833,566) v1(833,543) 833,524 v1(823,514) 843,494 1074,494 1158,578 C29.2 1169.57,600.43 U8.4
  Bottom4 w50: C15.2 C12.2 C13.2
VCC_IN: D2.1 pad.@555,1160 | length 185
  Top1 w60: D2.1@555,975 pad.@555,1160
pads on no net: 1.6 U2.1 U3.1 U4.5 U4.8 U7.4 U8.19 U8.21 USB1.0 USB1.A8 USB1.B8

## Polygon pours and split planes (outlines as drawn)
GND on Gnd2 "NONET_L02_P000" (solid, remove dead copper, shelved, pour order 0): 470,1300 470,0 1610,0 1610,1300
GND on Top1 "NONET_L01_P001" (solid, remove dead copper, shelved, pour order 1): 470,1300 470,0 1610,0 1610,1300
GND on Signal3 "NONET_L03_P002" (solid, remove dead copper, shelved, pour order 2): 470,1300 470,0 1610,0 1610,1300
GND on Bottom4 "NONET_L04_P003" (solid, remove dead copper, shelved, pour order 3): 470,1300 470,0 1610,0 1610,1300

## Keep-outs
Keep-Out Layer:
  lines w10: 470,25 ccw(c500,25) 500,-5 800,-5 ; 470,30 470,1235 cw(c540,1235) 540,1305 1540,1305 cw(c1540,1235) 1610,1235 1610,30 ; 800,0 800,355 cw(c870,355) 870,425 1210,425 cw(c1210,355) 1280,355 1280,0 ; 1280,-5 1580,-5 ccw(c1580,25) 1610,25

## Silkscreen, mask and mechanical layers (free items; w line width, h text height)
Top Overlay:
  region: 621,1220 621,1090 641,1155
  text "CAN" at 1357.99,668.51 h60 r270
  text "SWD" at 758.01,589.49 h60 r90
  text "COMM" at 758.01,284.64 h60 r90
  text "SPI1" at 772.5,257.01 h40 r180
Bottom Overlay:
  lines w5: 490,450 910,450 910,605
  lines w10: 1279,434 1279,539
  lines w11: 1431,1089 1484,1089
  text "RST" at 1357.99,951.54 h80 r270
  text "KEY" at 1405.99,753.91 h80 r270
  text "Lite" at 1012,565.3 h48
  text "Ctrl" at 1149,555 h80
  text "Designed by" at 1079,506 h30
  text "Ver 1.0" at 1260,501 h50
  text "OLED  / 64x32" at 492,483 h90 r270
  text "Pengzhihui" at 1258.06,447.7 h70
  text "SPI2" at 1483.21,219.01 h30
  text "ADC" at 568.21,185.01 h30
Bottom Solder:
  lines w7: 528,823 528,1014
  text "max" at 477,926.84 h40 r270
  text "24V" at 520,878.39 h80 r270
  text "Vin" at 520,800.32 h50 r270
Mechanical 1:
  lines w10: 800,-5 500,-5 cw(c500,25) 470,25 470,1235 cw(c540,1235) 540,1305 1540,1305 cw(c1540,1235) 1610,1235 1610,30 ; 800,0 800,355 cw(c870,355) 870,425 1210,425 cw(c1210,355) 1280,355 1280,0 ; 1280,-5 1580,-5 ccw(c1580,25) 1610,25